# Altium PCB LAUNCHXL-F28379D-REV2.0.PcbDoc (part 1 of 4) (continued)
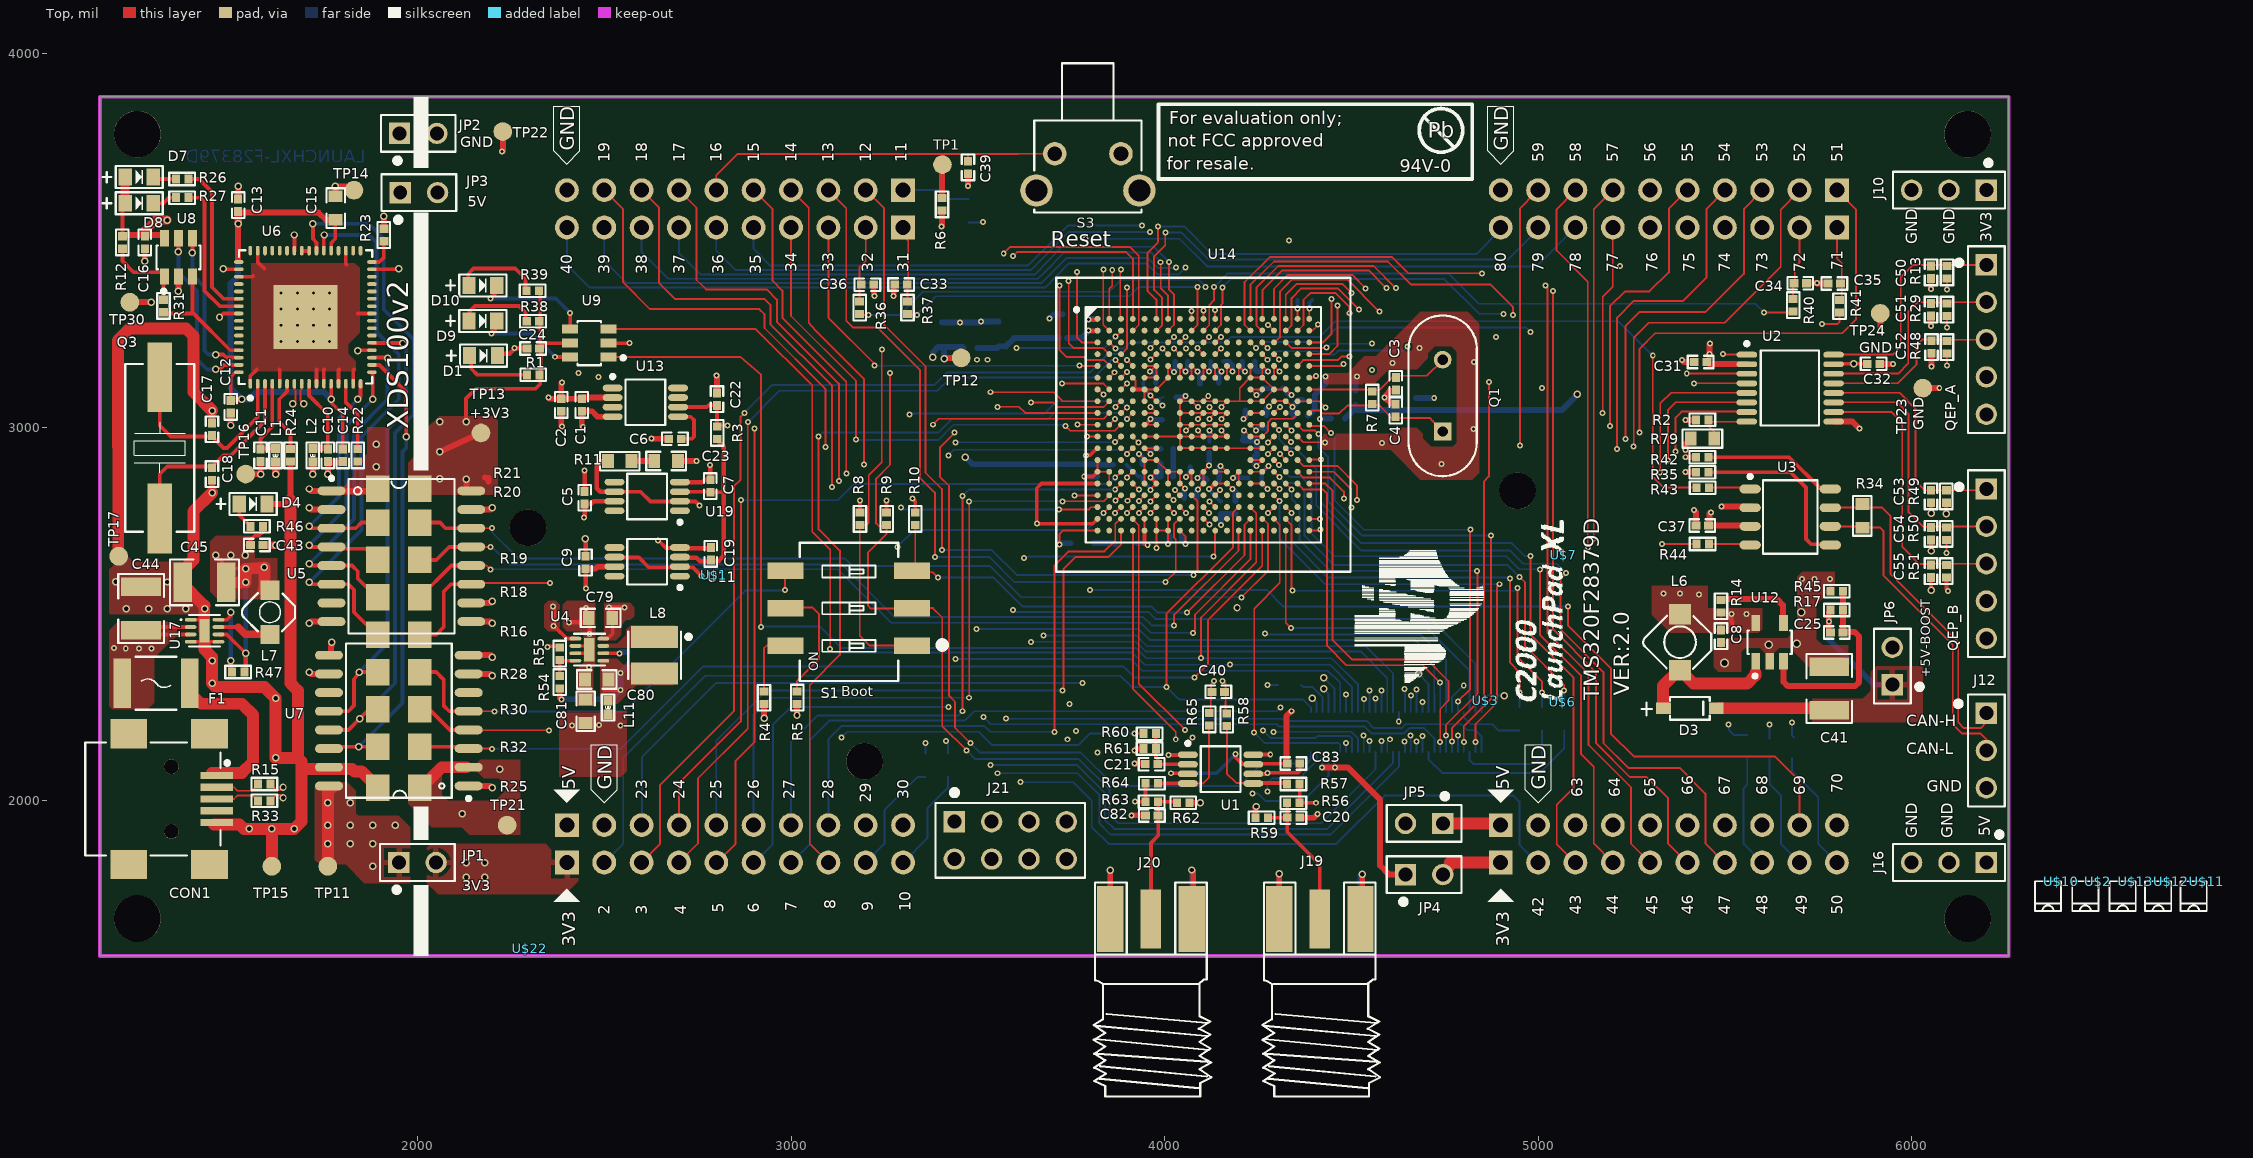
[diagram p0: Top view]
## Components (designator, comment, footprint, x,y, rotation, side; value= is the part's Value field where it differs from the comment)
C1 "100nF" C0402 2440,3060 r90 top
C2 "2.2uF" C0402 2385,3060 r90 top
C3 "36pF" C0402 4619.11,3116.43 r270 top
C4 "36pF" C0402 4618.72,3045.09 r90 top
C5 "100nF" C0402 2447.56,2811.57 r270 top
C6 "1uF" C0402 2689.37,2969.2 r0 top
C7 "1uF" C0402 2784.15,2842.88 r270 top
C8 "4.7uF" C0402 5489.5,2441 r90 top
C9 "100nF" C0402 2450.04,2638.21 r270 top
C10 "4.7uF" C0402 1760,2925 r90 top
C11 "4.7uF" C0402 1580,2925 r90 top
C12 "100nF" C0402 1500,3055 r90 top
C13 "100nF" C0402 1520,3595 r270 top
C14 "100nF" C0402 1800,2925 r90 top
C15 "3.3uF" C0603 1781,3587 r270 top
C16 "100nF" C0402 1270,3495 r90 top
C17 "36pF" C0402 1450,2995 r270 top
C18 "36pF" C0402 1450,2875 r90 top
C19 "1uF" C0402 2785.47,2661.29 r270 top
C20 "100pF" C0402 4345,1955 r180 top locked
C21 "1UF" C0402 3965.24,2098.24 r0 top
C22 "1uF" C0402 2801.74,3075.56 r270 top
C23 "2.2uF" C0603 2665.6,2910.01 r180 top
C24 "100nF" C0402 2309.55,3211.15 r0 top
C25 "820pF" C0402 5799.5,2451 r180 top
C27 "2.2uF" C0402 3940,2885 r270 bottom
C28 "100nF" C0402 4005.9,2867.83 r180 bottom
C29 "2.2uF" C0402 3820,2885 r90 bottom
C30 "100nF" C0402 4007.05,2904.5 r180 bottom
C31 "100nF" C0402 5435,3175 r180 top
C32 "100nF" C0402 5898,3170 r180 top
C33 "100nF" C0402 3294.68,3382.42 r0 top
C34 "100nF" C0402 5701.82,3385.83 r180 top
C35 "100nF" C0402 5793.18,3385.17 r0 top
C36 "100nF" C0402 3204.72,3381.93 r180 top
C37 "100nF" C0402 5439.5,2737.5 r0 top
C38 "2.2uF" C0603 3780,2690 r0 bottom
C39 "100nF" C0402 3473.73,3695.73 r270 top
C40 "180pF" C0402 4144.02,2292.03 r0 top
C41 "10uF" C1210 5779.5,2301 r90 top
C42 "2.2uF" C0402 4070,2810 r0 bottom
C43 "100nF" C0402 1570,2685 r180 top
C44 "10uF" C1210 1260,2515 r90 top
C45 "22uF" C1210 1430,2585 r0 top
C46 "2.2uF" C0402 4200,3045 r0 bottom
C47 "2.2uF" C0402 4243.72,2865.39 r180 bottom
C48 "2.2uF" C0402 4145,3103.27 r90 bottom
C49 "2.2uF" C0402 4010,3020 r180 bottom
C50 "1nF" C0402 6052,3415 r90 top
C51 "1nF" C0402 6052,3315 r90 top
C52 "1nF" C0402 6053,3215 r90 top
C53 "1nF" C0402 6052,2815 r90 top
C54 "1nF" C0402 6052,2715 r90 top
C55 "1nF" C0402 6052,2615 r90 top
C56 "100nF" C0402 4068.61,2909.23 r270 bottom
C57 "100nF" C0402 4005,3080 r0 bottom
C58 "100nF" C0402 4006.69,2942.76 r180 bottom
C59 "100nF" C0402 4223.46,2921.41 r0 bottom
C60 "100nF" C0402 3822,3274 r270 bottom locked
C61 "100nF" C0402 4045,3175 r180 bottom
C62 "100nF" C0402 4140.48,3176.35 r180 bottom
C63 "100nF" C0402 3960,3120 r180 bottom
C64 "100nF" C0402 4375.93,3341.24 r180 bottom
C65 "100nF" C0402 4030,2710 r0 bottom
C66 "100nF" C0402 4225,3175 r180 bottom
C67 "100nF" C0402 4195,2965 r0 bottom
C68 "10uF" C0603 3555.17,3249.69 r270 bottom
C69 "10uF" C0603 3728,3271 r270 bottom locked
C70 "10uF" C0603 3404,3247 r270 bottom
C71 "2.2uF" C0402 4363.64,3030.68 r180 bottom
C72 "2.2uF" C0402 4511.09,3079.43 r270 bottom
C73 "100nF" C0402 4272.32,3016.44 r90 bottom
C74 "100nF" C0402 4385.64,3073.8 r180 bottom
C75 "2.2uF" C0402 4120,2950 r270 bottom
C76 "2.2uF" C0402 4300,3105 r180 bottom
C77 "2.2uF" C0402 4095,3100 r90 bottom
C78 "2.2uF" C0402 4130,2860 r180 bottom
C79 "10uF" C0603 2490,2490 r0 top
C80 "22uF" C0603 2480,2325 r0 top
C81 "10uF" C0603 2450,2240 r270 top
C82 "100pF" C0402 3966.06,1961.09 r0 top
C83 "220nF" C0402 4345,2100 r180 top
C84 "100nF" C0402 4190,2785 r270 bottom
C85 "100nF" C0402 4150,2785 r270 bottom
CON1 "897-43-005-00-100001" USB-MINI-B-5P-SMD 1463.05,2005 r270 top
D1 "150080VS75000" D0805 2177,3192 r180 top
D3 "1N5819HW-7-F" SOD-123 5406.5,2248 r180 top
D4 "150080VS75000" D0805 1560,2795 r180 top
D7 "150080BS75000" D0805 1255,3670 r180 top
D8 "150080SS75000" D0805 1255,3600 r180 top
D9 "150080SS75000" D0805 2175,3285 r180 top
D10 "150080BS75000" D0805 2175,3380 r180 top
Designator1 "Comment" FIGURE_CROSS 109,130 r0 top
F1 "MF-MSMF050-2" FUSM4632X85N 1300,2315 r180 top
J1 "FH2543-10GT10" SOKV2W64P254_1X10_2590X250X850P 2850,1835 r0 bottom locked
J2 "FH2543-10GT10" SOKV2W64P254_1X10_2590X250X850P 2850,3635 r180 bottom locked
J3 "FH2543-10GT10" SOKV2W64P254_1X10_2590X250X850P 2850,1935 r0 bottom locked
J4 "FH2543-10GT10" SOKV2W64P254_1X10_2590X250X850P 2850,3535 r180 bottom locked
J5 "FH2543-10GT10" SOKV2W64P254_1X10_2590X250X850P 5350,1835 r0 bottom locked
J6 "FH2543-10GT10" SOKV2W64P254_1X10_2590X250X850P 5350,3635 r180 bottom locked
J7 "FH2543-10GT10" SOKV2W64P254_1X10_2590X250X850P 5350,1935 r0 bottom locked
J8 "FH2543-10GT10" SOKV2W64P254_1X10_2590X250X850P 5350,3535 r180 bottom locked
J9 "DF40C-60DP-0.4V(51)" BTB60P40_2X30_1152X297X114P 4619.87,2184.5 r180 bottom locked
J10 "P6E03A-602530-B1" HDRV3W64P254_1X3_762X250X850P 6100,3635 r180 top locked
J12 "P6E03A-602530-B1" HDRV3W64P254_1X3_762X250X850P 6200,2135 r270 top locked
J16 "P6E03A-602530-B1" HDRV3W64P254_1X3_762X250X850P 6100,1835 r180 top locked
J19 "SMA-J-P-H-ST-EM1" SMA_EM 4415.5,1683.5 r90 top
J20 "SMA-J-P-H-ST-EM1" SMA_EM 3963.5,1683.5 r90 top
J21 "P101-2*04SGF-116A-NX" HDRV8W64P254_2X4_1016X500X854P 3587.17,1894.21 r0 top locked
JP1 "P6E02A-602530-B1" HDRV2W64P254_1X2_508X250X850P 2000,1835 r0 top
JP2 "P6E02A-602530-B1" HDRV2W64P254_1X2_508X250X850P 2002,3787 r0 top locked
JP3 "P6E02A-602530-B1" HDRV2W64P254_1X2_508X250X850P 2003.87,3628.47 r0 top locked
JP4 "P6E02A-602530-B1" HDRV2W64P254_1X2_508X250X850P 4694.91,1802.68 r0 top locked
JP5 "P6E02A-602530-B1" HDRV2W64P254_1X2_508X250X850P 4694.91,1939.61 r180 top locked
JP6 "P6E02A-602530-B1" HDRV2W64P254_1X2_508X250X850P 5948.25,2360.97 r90 top
L1 "600R" L0402 1620,2925 r270 top
L2 "600R" L0402 1720,2925 r270 top
L3 "60R" L0402 3880,2900 r0 bottom
L4 "60R" L0402 4463.32,3023.88 r180 bottom
L5 "220R" L0402 3480.1,3212.69 r0 bottom
L6 "3.3uH" INDC380X380X165N 5380,2425 r315 top locked
L7 "2.2uH" INDC300X300X180N 1605,2505 r315 top
L8 "1uH" INDC3030X12N 2635,2390 r270 top
L11 "220R" L0402 2510,2250 r270 top
Q1 "ATS100B-E" OSC488P1105X465X350-2N 4744.54,3085.02 r90 top locked
Q3 "ABLS2-12.000MHZ-D4Y-T" XTAL1140X470X330N 1310,2945 r270 top
QEP_A "P101-1*05SGF-116A-NX" HDRV5W64P254_1X5_1270X250X850P 6200,3235 r270 top locked
QEP_B "P101-1*05SGF-116A-NX" HDRV5W64P254_1X5_1270X250X850P 6200,2635 r270 top locked
R1 "680R" R0402 2310,3140.53 r0 top
R2 "2K2" R0402 5440,3020 r0 top
R3 "1k" R0402 2802.41,2985.21 r270 top
R4 "820R" R0402 2927.6,2276.05 r270 top
R5 "820R" R0402 3016.4,2276.29 r270 top
R6 "2K2" R0402 3403.97,3597.05 r270 top
R7 "1M" R0402 4556.13,3079.67 r90 top
R8 "2K2" R0402 3184.77,2754.79 r270 top
R9 "2K2" R0402 3255.93,2755.1 r270 top
R10 "2K2" R0402 3332.51,2754.92 r270 top
R11 "0.1R" R0603 2541.4,2909.36 r180 top
R12 "10K" R0402 1210,3495 r270 top
R13 "1K" R0402 6095,3415 r90 top
R14 "10K" R0402 5489.5,2521 r90 top
R15 "0R" R0402 1590,2045 r0 top
R16 "0R" R1206 1950,2445 r0 top
R17 "30K1" R0402 5799.5,2511 r0 top
R18 "0R" R1206 1950,2545 r0 top
R19 "0R" R1206 1950,2645 r0 top
R20 "0R" R1206 1950,2745 r0 top
R21 "0R" R1206 1950,2835 r0 top
R22 "1K" R0402 1840,2925 r90 top
R23 "1K" R0402 1910,3515 r90 top
R24 "12k" R0402 1660,2925 r90 top
R25 "0R" R1206 1950,2035 r0 top
R26 "680R" R0402 1370,3665 r180 top
R27 "680R" R0402 1370,3615 r180 top
R28 "0R" R1206 1950,2345 r0 top
R29 "1K" R0402 6095,3315 r90 top
R30 "0R" R1206 1950,2245 r0 top
R31 "2K2" R0402 1320,3325 r270 top
R32 "0R" R1206 1950,2145 r0 top
R33 "0R" R0402 1590,2000 r0 top
R34 "120R" R0603 5868,2763 r90 top
R35 "10K" R0402 5440,2880 r180 top
R36 "1K" R0402 3183.64,3320.28 r90 top
R37 "1K" R0402 3311.66,3320.46 r90 top
R38 "680R" R0402 2309.22,3283.86 r0 top
R39 "680R" R0402 2308.5,3365.5 r0 top
R40 "1K" R0402 5682.83,3327.18 r90 top
R41 "1K" R0402 5806.83,3324.18 r90 top
R42 "10K" R0402 5440,2920 r180 top
R43 "0R" R0402 5440.5,2838.5 r180 top
R44 "0R" R0402 5440.5,2687.5 r180 top
R45 "10K" R0402 5799.5,2561 r180 top
R46 "680R" R0402 1570,2735 r0 top
R47 "100K" R0402 1520,2345 r180 top
R48 "1K" R0402 6095,3215 r90 top
R49 "1K" R0402 6093,2815 r90 top
R50 "1K" R0402 6093,2715 r90 top
R51 "1K" R0402 6093,2615 r90 top
R52 "0.1R" R0603 3895,2690 r0 bottom
R53 "178k" R0402 2567,2381 r270 bottom
R54 "64.9k" R0402 2381,2318 r270 top
R55 "39K2" R0402 2381,2394 r270 top
R56 "2K" R0402 4345,1995 r180 top
R57 "2K" R0402 4345,2045 r0 top
R58 "12R" R0402 4166.72,2217.46 r270 top
R59 "49R9" R0402 4260,1955 r0 top
R60 "10K" R0402 3960,2180 r0 top
R61 "10K" R0402 3960,2140 r180 top
R62 "49R9" R0402 4050,1995 r180 top
R63 "2K" R0402 3965.53,1997.6 r0 top
R64 "2K" R0402 3965.94,2047.09 r180 top
R65 "12R" R0402 4119.44,2218.13 r270 top
R66 "0R" R0402 4653,3079 r0 bottom
R67 "0R" R0603 5680,2145 r270 bottom
R68 "0R" R0603 5010,2220 r270 bottom
R69 "0R" R0603 5620,2145 r270 bottom
R70 "0R" R0603 4950,2220 r270 bottom
R71 "0R" R0603 3420,2095 r270 bottom
R72 "0R" R0603 4335,2310 r0 bottom
R73 "0R" R0603 3360,2095 r270 bottom
R74 "0R" R0603 4340,2000 r0 bottom
R75 "0R" R0603 3475,3580 r90 bottom
R76 "0R" R0603 4340,2060 r0 bottom
R77 "0R" R0603 5560,2145 r270 bottom
R78 "0R" R0603 5070,2220 r270 bottom
R79 "0R" R0603 5440,2970 r180 top
S1 "219-3MST" SW254P990X385-6N 3155.02,2515.73 r90 top
S3 "B3F-3152" SW4P730X625 3794.69,3683.31 r180 top locked
TP1 "TESTPAD_TPB1,27" TESTPAD_B1,27 3405.33,3703.43 r0 top
TP11 "TESTPAD_TPB1,27" TESTPAD_B1,27 1760,1825 r0 top
TP12 "TESTPAD_TPB1,27" TESTPAD_B1,27 3455.53,3185.88 r270 top
TP13 "TESTPAD_TPB1,27" TESTPAD_B1,27 2170,2985 r180 top
TP14 "TESTPAD_TPB1,27" TESTPAD_B1,27 1830,3635 r0 top
TP15 "TESTPAD_TPB1,27" TESTPAD_B1,27 1610,1825 r0 top
TP16 "TESTPAD_TPB1,27" TESTPAD_B1,27 1540,2875 r0 top locked
TP17 "TESTPAD_TPB1,27" TESTPAD_B1,27 1200,2655 r0 top
TP21 "TESTPAD_TPB1,27" TESTPAD_B1,27 2240,1935 r0 top
TP22 "TESTPAD_TPB1,27" TESTPAD_B1,27 2228.44,3792 r0 top locked
TP23 "TESTPAD_TPB1,27" TESTPAD_B1,27 6030,3105 r0 top
TP24 "TESTPAD_TPB1,27" TESTPAD_B1,27 5916.08,3305.17 r0 top
TP30 "TESTPAD_TPB1,27" TESTPAD_B1,27 1230,3335 r0 top
U1 "THS4531IDGKR" VSSOP65P490X110-8N 4150,2085 r0 top locked
U2 "TXB0106PWR" TSSOP65P640X120-16N 5675,3105 r0 top locked
U3 "SN65HVD234DR" SOIC127P600X175-8N 5675,2760 r0 top locked
U4 "TPS62080ADSGT" WSON50P200X80_HS-9N 2460,2405 r0 top locked
U5 "ISO7240CDWR" SOIC127P1030X265-16N 1957.01,2655 r0 top locked
U6 "FT2232HQ-REEL" QFN50P900X900X100_HS-65N 1700,3295 r90 top locked
U7 "ISO7231CDWR" SOIC127P1030X265-16N 1950,2215 r180 top
U8 "93LC56BT-I/OT" SOT23-6 1360,3455 r90 top
U9 "SN74LVC2G07DBVR" SOT23-6 2459.91,3225.49 r180 top
U11 "OPA350EA/250" VSSOP65P490X110-8N 2615,2640 r180 top
U12 "LMR62421XMFE/NOPB" SOT23-5 5620,2425 r90 top
U13 "REF5030IDGKT" VSSOP65P490X110-8N 2610,3067 r0 top
U14 "TMS320F28379DZWTT" BGA337C80P19X19_1600X1600X140 4104.04,3007 r0 top locked
U17 "TPS62162DSGT" WSON50P200X80_HS-9N 1430,2455.47 r0 top locked
U19 "OPA350EA/250" VSSOP65P490X110-8N 2615,2815 r180 top
U$1 "" F28379_BACKSILK7 2795,2605 r0 top
U$2 "ROY_JUMPER" ROY_JUMPER 6500,1785 r180 top
U$3 "" F28379S_TI_LOGO 4860,2270 r90 top
U$6 "" STI_LOGO_LAUNCHPADC2K 5066,2265 r90 top
U$7 "" XL 5069,2659 r90 top
U$10 "ROY_JUMPER" ROY_JUMPER 6400,1785 r180 top
U$11 "ROY_JUMPER" ROY_JUMPER 6790,1785 r180 top
U$12 "ROY_JUMPER" ROY_JUMPER 6695,1785 r180 top
U$13 "ROY_JUMPER" ROY_JUMPER 6600,1785 r180 top
U$22 "" F28379S_BACKSILK6 2300,1605 r0 top

## Footprints (in the part's own frame and the unit in brackets; to place one, negate y for a bottom-side part, rotate by r counter-clockwise, add the part's x,y. Pads: shape width x height; smd on the part's side, far side on the other; paste and mask are expansions set on the pad)
BGA337C80P19X19_1600X1600X140 [mm] "BGA, 337-Leads, Body 16.00x16.00mmx1.40mm, Pitch 0.80mm"
  round 0.4 smd mask+0.1: A1(-7.2,7.2) A2(-6.4,7.2) A3(-5.6,7.2) A4(-4.8,7.2) A5(-4,7.2) A6(-3.2,7.2) A7(-2.4,7.2) A8(-1.6,7.2) A9(-0.8,7.2) A10(0,7.2) A11(0.8,7.2) A12(1.6,7.2) A13(2.4,7.2) A14(3.2,7.2) A15(4,7.2) A16(4.8,7.2) A17(5.6,7.2) A18(6.4,7.2) A19(7.2,7.2) B1(-7.2,6.4) B2(-6.4,6.4) B3(-5.6,6.4) B4(-4.8,6.4) B5(-4,6.4) B6(-3.2,6.4) B7(-2.4,6.4) B8(-1.6,6.4) B9(-0.8,6.4) B10(0,6.4) B11(0.8,6.4) B12(1.6,6.4) B13(2.4,6.4) B14(3.2,6.4) B15(4,6.4) B16(4.8,6.4) B17(5.6,6.4) B18(6.4,6.4) B19(7.2,6.4) C1(-7.2,5.6) C2(-6.4,5.6) C3(-5.6,5.6) C4(-4.8,5.6) C5(-4,5.6) C6(-3.2,5.6) C7(-2.4,5.6) C8(-1.6,5.6) C9(-0.8,5.6) C10(0,5.6) C11(0.8,5.6) C12(1.6,5.6) C13(2.4,5.6) C14(3.2,5.6) C15(4,5.6) C16(4.8,5.6) C17(5.6,5.6) C18(6.4,5.6) C19(7.2,5.6) D1(-7.2,4.8) D2(-6.4,4.8) D3(-5.6,4.8) D4(-4.8,4.8) D5(-4,4.8) D6(-3.2,4.8) D7(-2.4,4.8) D8(-1.6,4.8) D9(-0.8,4.8) D10(0,4.8) D11(0.8,4.8) D12(1.6,4.8) D13(2.4,4.8) D14(3.2,4.8) D15(4,4.8) D16(4.8,4.8) D17(5.6,4.8) D18(6.4,4.8) D19(7.2,4.8) E1(-7.2,4) E2(-6.4,4) E3(-5.6,4) E4(-4.8,4) E5(-4,4) E6(-3.2,4) E7(-2.4,4) E8(-1.6,4) E9(-0.8,4) E10(0,4) E11(0.8,4) E12(1.6,4) E13(2.4,4) E14(3.2,4) E15(4,4) E16(4.8,4) E17(5.6,4) E18(6.4,4) E19(7.2,4) F1(-7.2,3.2) F2(-6.4,3.2) F3(-5.6,3.2) F4(-4.8,3.2) F5(-4,3.2) F6(-3.2,3.2) F7(-2.4,3.2) F8(-1.6,3.2) F9(-0.8,3.2) F10(0,3.2) F11(0.8,3.2) F12(1.6,3.2) F13(2.4,3.2) F14(3.2,3.2) F15(4,3.2) F16(4.8,3.2) F17(5.6,3.2) F18(6.4,3.2) F19(7.2,3.2) G1(-7.2,2.4) G2(-6.4,2.4) G3(-5.6,2.4) G4(-4.8,2.4) G5(-4,2.4) G6(-3.2,2.4) G14(3.2,2.4) G15(4,2.4) G16(4.8,2.4) G17(5.6,2.4) G18(6.4,2.4) G19(7.2,2.4) H1(-7.2,1.6) H2(-6.4,1.6) H3(-5.6,1.6) H4(-4.8,1.6) H5(-4,1.6) H6(-3.2,1.6) H8(-1.6,1.6) H9(-0.8,1.6) H10(0,1.6) H11(0.8,1.6) H12(1.6,1.6) H14(3.2,1.6) H15(4,1.6) H16(4.8,1.6) H17(5.6,1.6) H18(6.4,1.6) H19(7.2,1.6) J1(-7.2,0.8) J2(-6.4,0.8) J3(-5.6,0.8) J4(-4.8,0.8) J5(-4,0.8) J6(-3.2,0.8) J8(-1.6,0.8) J9(-0.8,0.8) J10(0,0.8) J11(0.8,0.8) J12(1.6,0.8) J14(3.2,0.8) J15(4,0.8) J16(4.8,0.8) J17(5.6,0.8) J18(6.4,0.8) J19(7.2,0.8) K1(-7.2,0) K2(-6.4,0) K3(-5.6,0) K4(-4.8,0) K5(-4,0) K6(-3.2,0) K8(-1.6,0) K9(-0.8,0) K10(0,0) K11(0.8,0) K12(1.6,0) K14(3.2,0) K15(4,0) K16(4.8,0) K17(5.6,0) K18(6.4,0) K19(7.2,0) L1(-7.2,-0.8) L2(-6.4,-0.8) L3(-5.6,-0.8) L4(-4.8,-0.8) L5(-4,-0.8) L6(-3.2,-0.8) L8(-1.6,-0.8) L9(-0.8,-0.8) L10(0,-0.8) L11(0.8,-0.8) L12(1.6,-0.8) L14(3.2,-0.8) L15(4,-0.8) L16(4.8,-0.8) L17(5.6,-0.8) L18(6.4,-0.8) L19(7.2,-0.8) M1(-7.2,-1.6) M2(-6.4,-1.6) M3(-5.6,-1.6) M4(-4.8,-1.6) M5(-4,-1.6) M6(-3.2,-1.6) M8(-1.6,-1.6) M9(-0.8,-1.6) M10(0,-1.6) M11(0.8,-1.6) M12(1.6,-1.6) M14(3.2,-1.6) M15(4,-1.6) M16(4.8,-1.6) M17(5.6,-1.6) M18(6.4,-1.6) M19(7.2,-1.6) N1(-7.2,-2.4) N2(-6.4,-2.4) N3(-5.6,-2.4) N4(-4.8,-2.4) N5(-4,-2.4) N6(-3.2,-2.4) N14(3.2,-2.4) N15(4,-2.4) N16(4.8,-2.4) N17(5.6,-2.4) N18(6.4,-2.4) N19(7.2,-2.4) P1(-7.2,-3.2) P2(-6.4,-3.2) P3(-5.6,-3.2) P4(-4.8,-3.2) P5(-4,-3.2) P6(-3.2,-3.2) P7(-2.4,-3.2) P8(-1.6,-3.2) P9(-0.8,-3.2) P10(0,-3.2) P11(0.8,-3.2) P12(1.6,-3.2) P13(2.4,-3.2) P14(3.2,-3.2) P15(4,-3.2) P16(4.8,-3.2) P17(5.6,-3.2) P18(6.4,-3.2) P19(7.2,-3.2) R1(-7.2,-4) R2(-6.4,-4) R3(-5.6,-4) R4(-4.8,-4) R5(-4,-4) R6(-3.2,-4) R7(-2.4,-4) R8(-1.6,-4) R9(-0.8,-4) R10(0,-4) R11(0.8,-4) R12(1.6,-4) R13(2.4,-4) R14(3.2,-4) R15(4,-4) R16(4.8,-4) R17(5.6,-4) R18(6.4,-4) R19(7.2,-4) T1(-7.2,-4.8) T2(-6.4,-4.8) T3(-5.6,-4.8) T4(-4.8,-4.8) T5(-4,-4.8) T6(-3.2,-4.8) T7(-2.4,-4.8) T8(-1.6,-4.8) T9(-0.8,-4.8) T10(0,-4.8) T11(0.8,-4.8) T12(1.6,-4.8) T13(2.4,-4.8) T14(3.2,-4.8) T15(4,-4.8) T16(4.8,-4.8) T17(5.6,-4.8) T18(6.4,-4.8) T19(7.2,-4.8) U1(-7.2,-5.6) U2(-6.4,-5.6) U3(-5.6,-5.6) U4(-4.8,-5.6) U5(-4,-5.6) U6(-3.2,-5.6) U7(-2.4,-5.6) U8(-1.6,-5.6) U9(-0.8,-5.6) U10(0,-5.6) U11(0.8,-5.6) U12(1.6,-5.6) U13(2.4,-5.6) U14(3.2,-5.6) U15(4,-5.6) U16(4.8,-5.6) U17(5.6,-5.6) U18(6.4,-5.6) U19(7.2,-5.6) V1(-7.2,-6.4) V2(-6.4,-6.4) V3(-5.6,-6.4) V4(-4.8,-6.4) V5(-4,-6.4) V6(-3.2,-6.4) V7(-2.4,-6.4) V8(-1.6,-6.4) V9(-0.8,-6.4) V10(0,-6.4) V11(0.8,-6.4) V12(1.6,-6.4) V13(2.4,-6.4) V14(3.2,-6.4) V15(4,-6.4) V16(4.8,-6.4) V17(5.6,-6.4) V18(6.4,-6.4) V19(7.2,-6.4) W1(-7.2,-7.2) W2(-6.4,-7.2) W3(-5.6,-7.2) W4(-4.8,-7.2) W5(-4,-7.2) W6(-3.2,-7.2) W7(-2.4,-7.2) W8(-1.6,-7.2) W9(-0.8,-7.2) W10(0,-7.2) W11(0.8,-7.2) W12(1.6,-7.2) W13(2.4,-7.2) W14(3.2,-7.2) W15(4,-7.2) W16(4.8,-7.2) W17(5.6,-7.2) W18(6.4,-7.2) W19(7.2,-7.2)
  silkscreen extent -10,-10 10,10, body extent -8,-8 8,8, height 1.4
BTB60P40_2X30_1152X297X114P [mm]
  rect 0.35x0.66 smd paste+0 mask+0.1: 0(-6.275,-1.355) 0(-6.275,1.355) 0(6.275,-1.355) 0(6.275,1.355)
  rect 0.23x0.66 smd paste+0 mask+0.1: 1(-5.8,1.355) 2(-5.8,-1.355) 3(-5.4,1.355) 4(-5.4,-1.355) 5(-5,1.355) 6(-5,-1.355) 7(-4.6,1.355) 8(-4.6,-1.355) 9(-4.2,1.355) 10(-4.2,-1.355) 11(-3.8,1.355) 12(-3.8,-1.355) 13(-3.4,1.355) 14(-3.4,-1.355) 15(-3,1.355) 16(-3,-1.355) 17(-2.6,1.355) 18(-2.6,-1.355) 19(-2.2,1.355) 20(-2.2,-1.355) 21(-1.8,1.355) 22(-1.8,-1.355) 23(-1.4,1.355) 24(-1.4,-1.355) 25(-1,1.355) 26(-1,-1.355) 27(-0.6,1.355) 28(-0.6,-1.355) 29(-0.2,1.355) 30(-0.2,-1.355) 31(0.2,1.355) 32(0.2,-1.355) 33(0.6,1.355) 34(0.6,-1.355) 35(1,1.355) 36(1,-1.355) 37(1.4,1.355) 38(1.4,-1.355) 39(1.8,1.355) 40(1.8,-1.355) 41(2.2,1.355) 42(2.2,-1.355) 43(2.6,1.355) 44(2.6,-1.355) 45(3,1.355) 46(3,-1.355) 47(3.4,1.355) 48(3.4,-1.355) 49(3.8,1.355) 50(3.8,-1.355) 51(4.2,1.355) 52(4.2,-1.355) 53(4.6,1.355) 54(4.6,-1.355) 55(5,1.355) 56(5,-1.355) 57(5.4,1.355) 58(5.4,-1.355) 59(5.8,1.355) 60(5.8,-1.355)
  silkscreen extent -6.75,-2.2 6.75,0.95
C0402 [mm] "Chip Resistor, 2-Leads, Body 1.00x0.50mm, IPC Medium Density"
  rect 0.6x0.55 smd mask+0.1: 1(-0.425,0) 2(0.425,0)
  silkscreen extent -0.87,-0.43 0.87,0.43, body extent -0.53,-0.27 0.53,0.28, height 0.55
C0603 [mm]
  rect 0.8x0.95 smd mask+0.1: 1(-0.8,0) 2(0.8,0)
  silkscreen extent -1.35,-0.63 1.35,0.63, body extent -0.8,-0.4 0.8,0.4, height 0.9
C1210 [mm] "Chip Capacitor, 2-Leads, Body 3.20x2.50mm, IPC Medium Density"
  rect 1.25x2.7 smd mask+0.1: 1(-1.475,0) 2(1.475,0)
  silkscreen extent -2.35,-1.55 2.35,1.55, body extent -1.75,-1.35 1.75,1.35, height 2.7
D0805 [mm]
  rect 0.9x1.15 smd paste+0 mask+0.1: 1(-0.95,0) 2(0.95,0)
  silkscreen extent -1.6,-0.75 2.5,0.75
F28379_BACKSILK7 [mil] "F28379_BACKSILK7"
F28379S_BACKSILK6 [mil] "F28379S_BACKSILK6"
F28379S_TI_LOGO [mil] "F28379S_TI_LOGO"
  silkscreen extent 44,5 401,352
FIGURE_CROSS [mil]
FUSM4632X85N [mm]
  rect 1.2x3.35 smd paste+0 mask+0.1: 1(-2.3,0) 2(2.3,0)
  silkscreen extent -1.4,-1.8 1.4,1.8
HDRV2W64P254_1X2_508X250X850P [mm]
  rect 1.45x1.45 hole 0.95 mask+0.1: 1(-1.27,0)
  round 1.45 hole 0.95 mask+0.1: 2(1.27,0)
  silkscreen extent -2.54,-2.01 2.54,1.25
HDRV3W64P254_1X3_762X250X850P [mm]
  rect 1.45x1.45 hole 0.95 mask+0.1: 1(-2.54,0)
  round 1.45 hole 0.95 mask+0.1: 2(0,0) 3(2.54,0)
  silkscreen extent -3.81,-2.01 3.81,1.25
HDRV5W64P254_1X5_1270X250X850P [mm]
  rect 1.45x1.45 hole 0.95 mask+0.1: 1(-5.08,0)
  round 1.45 hole 0.95 mask+0.1: 2(-2.54,0) 3(0,0) 4(2.54,0) 5(5.08,0)
  silkscreen extent -6.35,-2.01 6.35,1.25
HDRV8W64P254_2X4_1016X500X854P [mm]
  rect 1.45x1.45 hole 0.95 mask+0.1: 1(-3.81,1.27)
  round 1.45 hole 0.95 mask+0.1: 2(-3.81,-1.27) 3(-1.27,1.27) 4(-1.27,-1.27) 5(1.27,1.27) 6(1.27,-1.27) 7(3.81,1.27) 8(3.81,-1.27)
  silkscreen extent -5.08,-2.54 5.08,3.43
INDC300X300X180N [mm]
  rect 1.3x1.3 smd rot 135 paste+0 mask+0.1: 1(-1.061,1.061) 2(1.061,-1.061)
  silkscreen extent -1.5,-1.5 1.5,1.5
INDC380X380X165N [mm]
  rect 1.4x1.5 smd rot 135 paste+0 mask+0.1: 1(-1.344,1.344) 2(1.344,-1.344)
  silkscreen extent -1.9,-1.9 1.9,1.9
INDC3030X12N [mm] "Chip Inductor, 2-Leads, Body 3.00x3.00mm, IPC Medium Density"
  rect 1.5x3.2 smd mask+0.1: 1(-1.25,0) 2(1.25,0)
  silkscreen extent -1.6,-1.8 1.6,2.44, body extent -1.6,-1.6 1.6,1.6, height 1.2
L0402 [mm]
  rect 0.62x0.6 smd mask+0.1: 1(-0.46,0) 2(0.46,0)
  silkscreen extent -0.87,-0.43 0.87,0.43
OSC488P1105X465X350-2N [mm]
  rect 1.2x1.2 hole 0.7 mask+0.1: 1(-2.44,0)
  round 1.2 hole 0.7 mask+0.1: 2(2.44,0)
  silkscreen extent -5.48,-2.32 5.44,2.32, body extent -5.49,-2.25 5.49,2.25, height 3.6
QFN50P900X900X100_HS-65N [mm] "QFN, 64-Leads, Body 9.00x9.00mm, Pitch 0.50mm, Thermal Pad 4.35x4.35mm, IPC Medium Density"
  oval 0.65x0.25 smd mask+0.1: 1(-4.525,3.75) 2(-4.525,3.25) 3(-4.525,2.75) 4(-4.525,2.25) 5(-4.525,1.75) 6(-4.525,1.25) 7(-4.525,0.75) 8(-4.525,0.25) 9(-4.525,-0.25) 10(-4.525,-0.75) 11(-4.525,-1.25) 12(-4.525,-1.75) 13(-4.525,-2.25) 14(-4.525,-2.75) 15(-4.525,-3.25) 16(-4.525,-3.75) 33(4.525,-3.75) 34(4.525,-3.25) 35(4.525,-2.75) 36(4.525,-2.25) 37(4.525,-1.75) 38(4.525,-1.25) 39(4.525,-0.75) 40(4.525,-0.25) 41(4.525,0.25) 42(4.525,0.75) 43(4.525,1.25) 44(4.525,1.75) 45(4.525,2.25) 46(4.525,2.75) 47(4.525,3.25) 48(4.525,3.75)
  oval 0.25x0.65 smd mask+0.1: 17(-3.75,-4.525) 18(-3.25,-4.525) 19(-2.75,-4.525) 20(-2.25,-4.525) 21(-1.75,-4.525) 22(-1.25,-4.525) 23(-0.75,-4.525) 24(-0.25,-4.525) 25(0.25,-4.525) 26(0.75,-4.525) 27(1.25,-4.525) 28(1.75,-4.525) 29(2.25,-4.525) 30(2.75,-4.525) 31(3.25,-4.525) 32(3.75,-4.525) 49(3.75,4.525) 50(3.25,4.525) 51(2.75,4.525) 52(2.25,4.525) 53(1.75,4.525) 54(1.25,4.525) 55(0.75,4.525) 56(0.25,4.525) 57(-0.25,4.525) 58(-0.75,4.525) 59(-1.25,4.525) 60(-1.75,4.525) 61(-2.25,4.525) 62(-2.75,4.525) 63(-3.25,4.525) 64(-3.75,4.525)
  rect 4.35x4.35 smd mask+0.1: 65(0,0)
  silkscreen extent -5.62,-4.55 4.55,4.54, body extent -4.23,-5.05 4.85,4.03, height 1
R0402 [mm]
  rect 0.55x0.6 smd mask+0.1: 1(-0.425,0) 2(0.425,0)
  silkscreen extent -0.87,-0.43 0.87,0.43
R0603 [mm]
  rect 0.8x0.95 smd mask+0.1: 1(-0.8,0) 2(0.8,0)
  silkscreen extent -1.35,-0.63 1.35,0.63, body extent -0.8,-0.4 0.8,0.4, height 0.45
R1206 [mil] "R1206"
  rect 62.99x70.98 smd: 1(-55.98,0) 2(55.98,0)
ROY_JUMPER [mil] "ROY_JUMPER"
  silkscreen extent 0,0 70,80
SMA_EM [mm] "SMA_EM"
  rect 4.5x1.8 smd far side mask+0.1: 1(0,2.77) 3(0,-2.77)
  rect 4x1.4 smd mask+0.1: 2(0,0)
  rect 4.5x1.8 smd mask+0.1: 4(0,-2.77) 5(0,2.77)
  silkscreen extent -12.05,-4.1 2.48,3.9
SOD-123 [mm]
  rect 1x0.75 smd paste+0 mask+0.1: 1(-1.8,0) 2(1.8,0)
  silkscreen extent -1.35,-0.77 3.3,0.77, body extent -1.85,-0.8 1.85,0.8, height 1.25
SOIC127P600X175-8N [mm] "SOIC, 8-Leads, Body 4.90x3.90mm, Pitch 1.27mm, IPC Medium Density"
  oval 1.45x0.6 smd mask+0.1: 1(-2.725,1.905) 2(-2.725,0.635) 3(-2.725,-0.635) 4(-2.725,-1.905) 5(2.725,-1.905) 6(2.725,-0.635) 7(2.725,0.635) 8(2.725,1.905)
  silkscreen extent -2.85,-2.5 1.85,2.88, body extent -3,-2.5 3,2.5, height 1.75
SOIC127P1030X265-16N [mm] "SOIC, 16-Leads, Body 10.30x7.50mm, Pitch 1.27mm, IPC Medium Density"
  oval 1.9x0.6 smd mask+0.1: 1(-4.75,4.445) 2(-4.75,3.175) 3(-4.75,1.905) 4(-4.75,0.635) 5(-4.75,-0.635) 6(-4.75,-1.905) 7(-4.75,-3.175) 8(-4.75,-4.445) 9(4.75,-4.445) 10(4.75,-3.175) 11(4.75,-1.905) 12(4.75,-0.635) 13(4.75,0.635) 14(4.75,1.905) 15(4.75,3.175) 16(4.75,4.445)
  silkscreen extent -4.87,-5.25 3.6,5.42, body extent -3.8,-5.25 3.8,5.25, height 2.65
SOKV2W64P254_1X10_2590X250X850P [mm]
  rect 1.62x1.62 hole 1.02 mask+0.1: 1(-11.43,0)
  round 1.62 hole 1.02 mask+0.1: 2(-8.89,0) 3(-6.35,0) 4(-3.81,0) 5(-1.27,0) 6(1.27,0) 7(3.81,0) 8(6.35,0) 9(8.89,0) 10(11.43,0)
  silkscreen extent -13.13,-1.25 12.95,2.34, body extent -12.82,-1.25 12.83,1.25, height 8.5
SOT23-5 [mm]
  rect 1.1x0.6 smd mask+0.1: 1(-1.3,0.95) 2(-1.3,0) 3(-1.3,-0.95) 4(1.3,-0.95) 5(1.3,0.95)
  silkscreen extent -2.35,-1.5 0.8,1.5, body extent -1.21,-1.44 1.19,1.46, height 1.09
SOT23-6 [mm]
  rect 1.1x0.6 smd mask+0.1: 1(-1.3,0.95) 2(-1.3,0) 3(-1.3,-0.95) 4(1.3,-0.95) 5(1.3,0) 6(1.3,0.95)
  silkscreen extent -2.35,-1.5 0.8,1.5
STI_LOGO_LAUNCHPADC2K [mil] "STI_LOGO_LAUNCHPADC2K"
  silkscreen extent 1,0 368,126
SW4P730X625 [mm]
  round 1.6 hole 1 paste+0 mask+0.1: 1(-2.25,-1.25) 2(2.25,-1.25)
  round 2.2 hole 1.5 paste+0 mask+0.1: 3(-3.5,1.25) 4(3.5,1.25)
  silkscreen extent -3.65,-7.4 3.65,2.75
SW254P990X385-6N [mm] "SWS8JP"
  rect 1.13x2.44 smd paste+0 mask+0.1: 1(-2.54,-4.3) 2(0,-4.3) 3(2.54,-4.3) 4(2.54,4.3) 5(0,4.3) 6(-2.54,4.3)
  silkscreen extent -4.95,-6.56 4.45,3.35
TESTPAD_B1,27 [mil] "TESTPAD_B1,27"
  rrect100% 50x50 smd: TP(0,0)
TSSOP65P640X120-16N [mm] "TSSOP, 16-Leads, Body 5.00x4.40mm, Pitch 0.65mm, IPC Medium Density"
  oval 1.4x0.4 smd mask+0.1: 1(-2.95,2.275) 2(-2.95,1.625) 3(-2.95,0.975) 4(-2.95,0.325) 5(-2.95,-0.325) 6(-2.95,-0.975) 7(-2.95,-1.625) 8(-2.95,-2.275) 9(2.95,-2.275) 10(2.95,-1.625) 11(2.95,-0.975) 12(2.95,-0.325) 13(2.95,0.325) 14(2.95,0.975) 15(2.95,1.625) 16(2.95,2.275)
  silkscreen extent -3.07,-2.55 1.95,3.15, body extent -2.25,-2.55 2.25,2.55, height 1.2
USB-MINI-B-5P-SMD [mm]
  rect 0.5x2.2 smd mask+0.1: 1(-1.6,0) 2(-0.8,0) 3(0,0) 4(0.8,0) 5(1.6,0)
  rect 2x2.5 smd mask+0.1: 6(-4.45,-0.5) 7(4.45,-0.5) 8(-4.45,-6) 9(4.45,-6)
  round 1 hole 1 unplated mask+0.1: 10(-2.2,-3.1) 11(2.2,-3.1)
  silkscreen extent -3.85,-8.95 3.85,0.81, body extent -4.93,-9.01 4.97,-0.01, height 3.9
VSSOP65P490X110-8N [mm] "VSSOP, 8-Leads, Body 3.00x3.00mm, Pitch 0.65mm, IPC Medium Density"
  oval 1.35x0.45 smd mask+0.1: 1(-2.225,0.975) 2(-2.225,0.325) 3(-2.225,-0.325) 4(-2.225,-0.975) 5(2.225,-0.975) 6(2.225,-0.325) 7(2.225,0.325) 8(2.225,0.975)
  silkscreen extent -2.35,-1.55 1.35,1.87, body extent -1.55,-1.55 1.55,1.55, height 1.1
WSON50P200X80_HS-9N [mm] "WSON, 8-Leads, Body 2.00x2.00mm, Pitch 0.50mm, Thermal Pad 1.60x0.69mm, IPC Medium Density"
  oval 0.8x0.25 smd mask+0.1: 1(-0.945,0.75) 2(-0.945,0.25) 3(-0.945,-0.25) 4(-0.945,-0.75) 5(0.945,-0.75) 6(0.945,-0.25) 7(0.945,0.25) 8(0.945,0.75)
  rect 0.69x1.6 smd mask+0.1: 9(0,0)
  silkscreen extent -1.65,-1.07 1.05,1.07, body extent -1.05,-1.05 1.05,1.05, height 0.8
XL [mil] "XL"
  silkscreen extent -1,-1 92,61
XTAL1140X470X330N [mm]
  rect 4.75x1.65 smd paste+0 mask+0.1: 1(-4.8,0) 2(4.8,0)
  silkscreen extent -5.7,-2.35 5.7,2.35

## Part data
C1 C5 C9 C12 C13 C14 C16 C24 C28 C30 C31 C32 C33 C34 C35 C36 C37 C39 C43 C56 C57 C58 C59 C60 C61 C62 C63 C64 C65 C66 C67 C73 C74 C84 C85: library part 1004001100187, "CAP,100NF(0.1uf),+/-10%,X5R,10V,SMD0402"
C2 C27 C29 C42 C46 C47 C48 C49 C71 C72 C75 C76 C77 C78: library part 1004001100059, "CAP,2.2UF,+/-20%,X5R,6.3V,SMD0402"
C3 C4 C17 C18: library part 1004001100255, "CAP,36pF,+/-5%,C0G,50V,SMD0402"
C6 C7 C19 C21 C22: library part 1004001100056, "CAP,1UF,+/-10%,X5R,6.3V,SMD0402"
C8 C10 C11: library part 1004001100218, "CAP,4.7UF,+/-20%,X5R,6.3V,SMD0402 fix PN add D（20151023）"
C15: library part 1004001100252, "CAP,3.3uF,+/-10%,X5R,10V,SMD0603"
C20 C82: library part 1004001100017, "CAP,100PF,+/-5%,C0G,50V,SMD0402"
C23 C38: library part 1004001100124, "CAP,2.2UF,+/-10%,X5R,16V,SMD0603"
C25: library part 1004001100029, "CAP,820PF,+/-5%,C0G,50V,SMD0402"
C40: library part 1004001100020, "CAP,180PF,+/-5%,C0G,50V,SMD0402"
C41 C44: library part 1004001100183, "CAP,10UF,+/-10%,X7R,25V,SMD1210"
C45: library part 1004001100216, "CAP,22UF,+/-10%,X7R,25V,SMD1210"
C50 C51 C52 C53 C54 C55: library part 1004001100030, "CAP,1NF,+/-10%,X7R,50V,SMD0402"
C68 C69 C70 C79 C81: library part 1004001100128, "CAP,10UF,+/-20%,X5R,6.3V,SMD0603"
C80: library part 1004001100130, "CAP,22UF,+/-20%,X5R,6.3V,SMD0603"
C83: library part 1004001100050, "CAP,220NF,+/-10%,X5R,10V,SMD0402"
CON1: library part 1009007100067, "Connector,MiniUSB B port,5 position,Right Angle,Gold flash 30u,black,SMD"
D1 D4: library part 1006001100166, "LED, Bright GREEN , 570nm,30mA,SMD,0805"
D3: library part 1006002100003, "Diode,Schottky Diode,1N5819HW-7-F,40V,1A,SOD-123,SMD,-65~125,TR"
D7 D10: library part 1006001100167, "LED, BLUE ,470NM, 30mA,SMD,0805"
D8 D9: library part 1006001100168, "LED, SUPPER RED ,630NM,30mA, SMD,0805"
F1: library part 1007001100029, "PTC RESETTABLE .50A 15V 1812"
J1 J2 J3 J4 J5 J6 J7 J8: library part 1009002200006, "Connector,Pin Socket,Straight,Female,1x10Pin,2.54MM pitch,8.5,3.2,Gold Flash 1u,black,DIP"
J9: library part 1009015100039, "CONN HDR 60POS 0.4MM SMD GOLD TR"
J10 J12 J16: library part 1009001200009, "Connector,Pin Header,Straight,Male,1x3Pin,2.54MM pitch,6.00,3.00,Gold Flash 1u, black,DIP,alt_code:15071706"
J19 J20: library part 1009019100017, "RF Connector,SMA Jack, Edge Mount, Gold, Straight, 50Ω,SMD,Tray"
J21: library part 1009001200025, "Connector,Pin Header,Straight,Male,2x4Pin,2.54MM pitch,6.06,3.00,Gold Flash 1u, black,DIP"
JP1 JP2 JP3 JP4 JP5 JP6: library part 1009001200003, "Connector,Pin Header,Straight,Male,1x2Pin,2.54MM pitch,6.00,3.00,Gold Flash 1u, black,DIP,alt_code:15071705"
L1 L2: library part 1005005100003, "Ferrite Bead,600ohm@100MHz,+/-25%,300mA,0.6ohm,SMD0402"
L3 L4: library part 1005005100005, "Ferrite Bead,60ohm@100MHz,+/-25%,1700mA,0.06ohm,SMD0402"
L5 L11: library part 1005005100064, "FERRITE BEAD 220 OHM 0402,+/-25%"
L6: library part 1005004100014, "Power Inductor,Magnetic shielded,3.3uH,1.4A,0.085ohm,3.8X3.8X1.6mm,SMD"
L7: library part 1005004100011, "Power Inductor,Magnetic shielded,2.2uH,1.6A,0.06ohm,3.0X3.0X1.8mm,SMD"
L8: library part 1005001100053, "FIXED IND 1UH 1.62A 40 MOHM SMD,+/-30%"
Q1: library part 1008002200125, "Crystal 10.0000MHz 30ppm 18pF 60 Ohm -40°C - 85°C Through Hole HC49/US"
Q3: library part 1008002100130, "Crystal 12MHz ±30ppm (Tol) ±30ppm (Stability) 18pF FUND 50Ohm 2-Pin HC-49/US SMD T/R"
QEP_A QEP_B: library part 1009001200016, "Connector,Pin Header,Straight,Male,1x5Pin,2.54MM pitch,6.06,3.00,Gold Flash 1u, black,DIP"
R1 R26 R27 R38 R39 R46: library part 1003001100490, "RES,680R,+/-1%,1/16W,SMD0402"
R2 R6 R8 R9 R10 R31: library part 1003001100045, "RES,2K2,+/-1%,1/16W,SMD0402"
R3 R13 R22 R23 R29 R36 R37 R40 R41 R48 R49 R50 R51: library part 1003001100034, "RES,1K,+/-1%,1/16W,SMD0402"
R4 R5: library part 1003001100482, "RES,820R,+/-1%,1/16W,SMD0402"
R7: library part 1003001100155, "RES,1M,+/-1%,1/16W,SMD0402"
R11 R52: library part 1003001100162, "RES,0R1,+/-1%,1/10W,SMD0603"
R12 R14 R35 R42 R45 R60 R61: library part 1003001100071, "RES,10K,+/-1%,1/16W,SMD0402"
R15 R33 R43 R44 R66: library part 1003001100001, "RES,0R,+/-5%,1/16W,SMD0402"
R16 R18 R19 R20 R21 R25 R28 R30 R32: library part 1003001100325, "RES,0R,+/-5%,1/2W,SMD1206"
R17: library part 1003001100091, "RES,30K1,+/-1%,1/16W,SMD0402"
R24: library part 1003001100075, "RES,12K,+/-1%,1/16W,SMD0402"
R34: library part 1003001100187, "RES,120R,+/-1%,1/10W,SMD0603"
R47: library part 1003001100120, "RES,100K,+/-1%,1/16W,SMD0402"
R53: library part 1003001100723, "RES, 178K OHM, 1%, 1/10W, SMD0402"
R54: library part 1003001100730, "RES, 64.9K OHM, 1%, 1/10W, SMD0402"
R55: library part 1003001100098, "RES,39K2,+/-1%,1/16W,SMD0402"
R56 R57 R63 R64: library part 1003001100044, "RES,2K,+/-1%,1/16W,SMD0402"
R58 R65: library part 1003001101032, "RES SMD 12 OHM 5% 1/16W 0402 TR"
R59 R62: library part 1003001100015, "RES,49R9,+/-1%,1/16W,SMD0402"
R67 R68 R69 R70 R71 R72 R73 R74 R75 R76 R77 R78 R79: library part 1003001100161, "RES,0R,+/-5%,1/10W,SMD0603"
S1: library part 1010003100003, "Switch, DIP Switches,3 Position,2.54MM Pitch,black housing,white plunger,SMD"
S3: library part 1010001200049, "SWITCH TACTILE SPST-NO 0.05A 24V"
TP1 TP11 TP12 TP13 TP14 TP15 TP16 TP17 TP21 TP22 TP23 TP24 TP30: "Test pad"
U1: library part 1002007100055C, "IC OPAMP DIFF 27MHZ RRO 8VSSOP TR"
U2: library part 1002008100038C, "IC, 6-BIT BIDIRECTIONAL VOLTAGE-LEVEL TRANSLATOR WITH AUTO-DIRECTION SENSING AND ±15-kV ESD PROTECTION, TXB0106PWR, TSSOP-16, SMD,Cusomer Supply"
U3: library part 1002010100117C, "IC CAN TRANSCEIVER 3.3V 8-SOIC"
U4: library part 1002005100089C, "IC REG BUCK SYNC ADJ 1.2A 8WSON"
U5: library part 1002017100004C, "IC DGTL ISO 4CH CMOS 16SOIC,CUSTOMER SUPPLY"
U6: library part 1002010100084, "IC,Dual High Speed USB to Multipurpose UART/FIFO IC,FT2232HQ-REEL,QFN-64,SMD"
U7: library part 1002017100003C, "IC DGTL ISO 3CH CMOS 16SOIC,CUSTOMER SUPPLY"
U8: library part 1002003100163, "IC,EEPROM Serial-Microwire 2K-Bit 128 x 16 2MHz,93LC56BT-I/OT,SOT-23-6,SMD"
U9: library part 1002008100102C, "Buffer/Driver 2-CH Non-Inverting Open Drain CMOS 6-Pin SOT-23 T/R,CUSTOMER SUPPLY"
U11 U19: library part 1002007100063C, "IC OPAMP GP 38MHZ RRO 8VSSOP T/R"
U12: library part 1002005100073C, "Conv DC-DC Single Step Up 2.7V to 5.5V 5-Pin SOT-23 T/R ,CUSTOMER SUPPLY"
U13: library part 1002004100186C, "IC ，V-Ref Precision 3V 10mA 8-Pin VSSOP T/R"
U14: library part 1002002100202C, "IC, MCU 32BIT 1024KB,TMS320F28379DZWTT,BGA-337,SMD,customer supply"
U17: library part 1002005100090C, "IC REG BUCK SYNC 3.3V 1A 8WSON"
U$1: library part F28379_BACKSILK7
U$3: library part F28379S_TI_LOGO
U$6: library part STI_LOGO_LAUNCHPADC2K
U$7: library part XL
U$22: library part F28379S_BACKSILK6

## Free pads (board coordinates)
  round 125 hole 125 unplated: 1(1250,1685) 1(1250,3785) 1(6150,1685) 1(6150,3785)
  round 98 hole 98 unplated: 1(2296,2731) 1(3197,2106) 1(4945,2830)

## Via types
v1: diameter 16/16/16/16/16/16 (per signal layer), hole 8, Top to Bottom, tented both sides, 453 vias
v2: diameter 20/20/20/20/20/20 (per signal layer), hole 12, Top to Bottom, tented both sides, 122 vias
v3: diameter 16, hole 8, Top to Bottom, tented both sides, 22 vias
v4: diameter 20, hole 8, Top to Bottom, tented both sides, 16 vias
v5: diameter 23/23/23/23/23/23 (per signal layer), hole 15, Top to Bottom, tented both sides, 4 vias
v6: diameter 20, hole 12, Top to Bottom, tented both sides, 4 vias

## Nets (pads, with @x,y where several pads share a name; then routed paths per layer and width w, separated by ;. In a path a pad name is that pad's centre, name@x,y a point inside that pad or via, vN(x,y) a via of type N, cw(c..) or ccw(c..) an arc to the next point about the centre after c; other vN are vias at no path point)
+1V2: C80.2 L8.2 L11.1 R53.2 R54.2 U4.5 | length 334.1
  Top w10: 2500,2294.68 2502.32,2297 v1(2544,2297)
  Top w15: R54.2@2381,2301.27 2381,2277 v1(2386,2272)
  Top w16: L8.2@2630,2325.94 2634.92,2330.87 L8.2@2639.37,2335.32
  Bottom w15: v1(2386,2272) 2519,2272 v1(2544,2297) v1(2544,2343) 2563,2362 R53.2@2563,2365.27
+3V3: C8.2 C24.2 C29.2 C31.1 C37.2 C70.2 C72.2 C79.2 C83.2 C84.1 C85.1 J1.1 J9.52 J9.53 J9.56 J9.57 J10.1 JP1.2 JP4.1 L3.1 L4.1 L5.1 L6.1 R1.2 R2.1 R4.2 R5.2 R6.2 R14.1 R21.2 R35.2 R38.2 R39.2 TP12.TP TP13.TP U1.3 U1.7 U2.2 U3.3 U4.1 U4.8 U5.10 U5.16 U7.1 U7.7 U9.5 U12.5 U14.R11 U14.R12 | length 5006.6
  Top w5: v1(4119,2835) 4133.52,2849.52 4167.48,2849.52 v1(4182,2835)
  Top w10: v2(2130,3015) 2130,3077 2156,3103 2316,3103.5 2328.69,3116.19 2329.68,3140.41 2329.69,3140.53 2329.69,3210.7 C24.2@2329.24,3211.15 ; R39.2@2328.18,3365.5 2328.91,3364.77 2328.91,3211.48 C24.2@2329.24,3211.15 ; v1@2365,2468 2370,2463 2371,2463 2399.47,2434.53 U4.1@2420.63,2434.53 ; U9.5@2408.73,3225.49 2343.57,3225.49 C24.2@2329.24,3211.15 ; U4.8@2499.37,2434.53 2509.53,2434.53 2523,2448 2523,2474.54 C79.2@2523.46,2475 ; v1(4017,2074) 4017.18,2073.82 U1.3@4066,2073.82 ; v1(4119,2835) 4120,2835 U14.R11@4134,2849 ; v1(4190,2125) 4190,2117 4208.5,2098.5 4237.58,2098.98 4238.82,2099 4239.23,2099.41 C83.2@4322.61,2099.41 ; C83.2@4322.61,2099.41 4326.54,2099.41 4326.54,2099.96 C83.2@4322.61,2099.41
  Top w12: v1(2363,2521) 2365,2519 v1@2365,2468 ; C79.2@2523.46,2475 2523.46,2507.54 v1(2513,2518) v1(2554,2518) ; v1(5517.5,2500) 5517.5,2482.5 5520,2480 5520,2475
  Top w16: v2(2060,2935) TP13.TP@2170,2985 ; v2(2131,2861) 2131.1,2853.9 U5.16@2131.1,2830 ; U7.1@2131.1,2040 U7.1@2137.01,2040 2195,2040 v2(2200,2035) ; U7.7@2131.1,2340 U7.7@2137.01,2340 2195,2340 v2(2200,2335) ; U5.10@2131.1,2530 U5.10@2144.02,2530 2195,2530 v2(2200,2535) ; 2180.32,2865.32 2190,2865 2190,2855 ; R4.2@2927.6,2256.36 2927.6,2221.4 v2(2928,2221) ; v2(3016,2229) 3016.4,2231.4 R5.2@3016.4,2256.6 ; v1(3403,3538) 3403.97,3538.97 R6.2@3403.97,3577.36 ; v2(3410,3184) 3411.88,3185.88 TP12.TP@3455.53,3185.88 ; C83.2@4326.54,2099.96 4326.54,2227.54 4339,2240 v1(4340,2240) ; v1(4421,2089) 4422,2090 v1(4456,2090) 4490,2090 4577,2003 4577,1827 4601.32,1802.68 JP4.1@4644.91,1802.68 ; v1(5395,2880) R35.2@5423.27,2880 ; v1(5395,3020) R2.1@5418.31,3020 ; C31.1@5450,3175 5459,3184 v1(5459,3197) 5459,3222.5 v1(5460.5,3224) ; C31.1@5451.73,3175 5457.76,3168.98 U2.2@5558.86,3168.98 ; v1(5462.5,2772.5) 5459.19,2769.19 5459.19,2737.5 U3.3@5574,2737.5
  Top w32: R21.2@2000,2835 R21.2@2005.98,2835
  Route2 w10: v1(4119,2835) 4119,2834 4120,2834 4177,2777 4177,2528 v2@4190.19,2514.81
  VDD w10: v2(4194,2517) 4194,2479 4195,2478 4177,2460 4322,2315
  Bottom w5: C70.2@3396.69,3212.69 3397.54,3213.54 C70.2@3404,3213.54 ; v2(4396,2275) 4407.28,2263.72 J9.57@4407.27,2237.85 ; v1(4421,2089) 4423.02,2091.02 J9.56@4423.02,2131.15 ; v2(4426,2300) 4438.77,2287.23 J9.53@4438.77,2237.85 ; J9.52@4454.52,2131.15 4454,2130.63 4454,2090 v1(4456,2090)
  Bottom w10: v1(4017,2074) 4139,2074 v1(4190,2125)
  Bottom w12: v1(4119,2835) 4119,2832.73 C85.1@4150,2801.73
  Bottom w15: v2(3467,2920) 3485.27,2901.73 C29.2@3820,2901.73 3821.73,2900 L3.1@3861.89,2900 ; v1(4182,2835) 4190,2827 C84.1@4190,2801.73
  Bottom w16: v2(3380,3188) 3380,3201 3394.5,3215.5 C70.2@3404,3215.5 3459.18,3215.5 L5.1@3461.99,3212.69 ; C70.2@3404,3213.54 3410,3207.54 v2(3410,3184) ; C72.2@4511.09,3059.74 4511.09,3045.99 ; v2(5105,3089) 5102,3085 5062.99,3045.99 4511.09,3045.99 ; L4.1@4483.13,3024 4506.01,3045.99 4511.09,3045.99 ; L4.1@4483.13,3024 4483.01,3023.88 L4.1@4483.13,3024
  other v1: 2364,2468 5557.5,2500 5430.5,2553 5335.5,2555 5379.5,2555
  other v2: 2130,1795 2180,1795 2130,1835 2180,1835 2060,2862 2060,3015